# Altium PCB WS3.0.PcbDoc
Units mm, origin at the board's own origin, x right, y up, seen from the top; angles counter-clockwise.
Board outline 152.4 x 101.6 mm, 2 copper layers (Top Layer, Bottom Layer); 63 components, 58 nets, 265 pads, 102 vias.
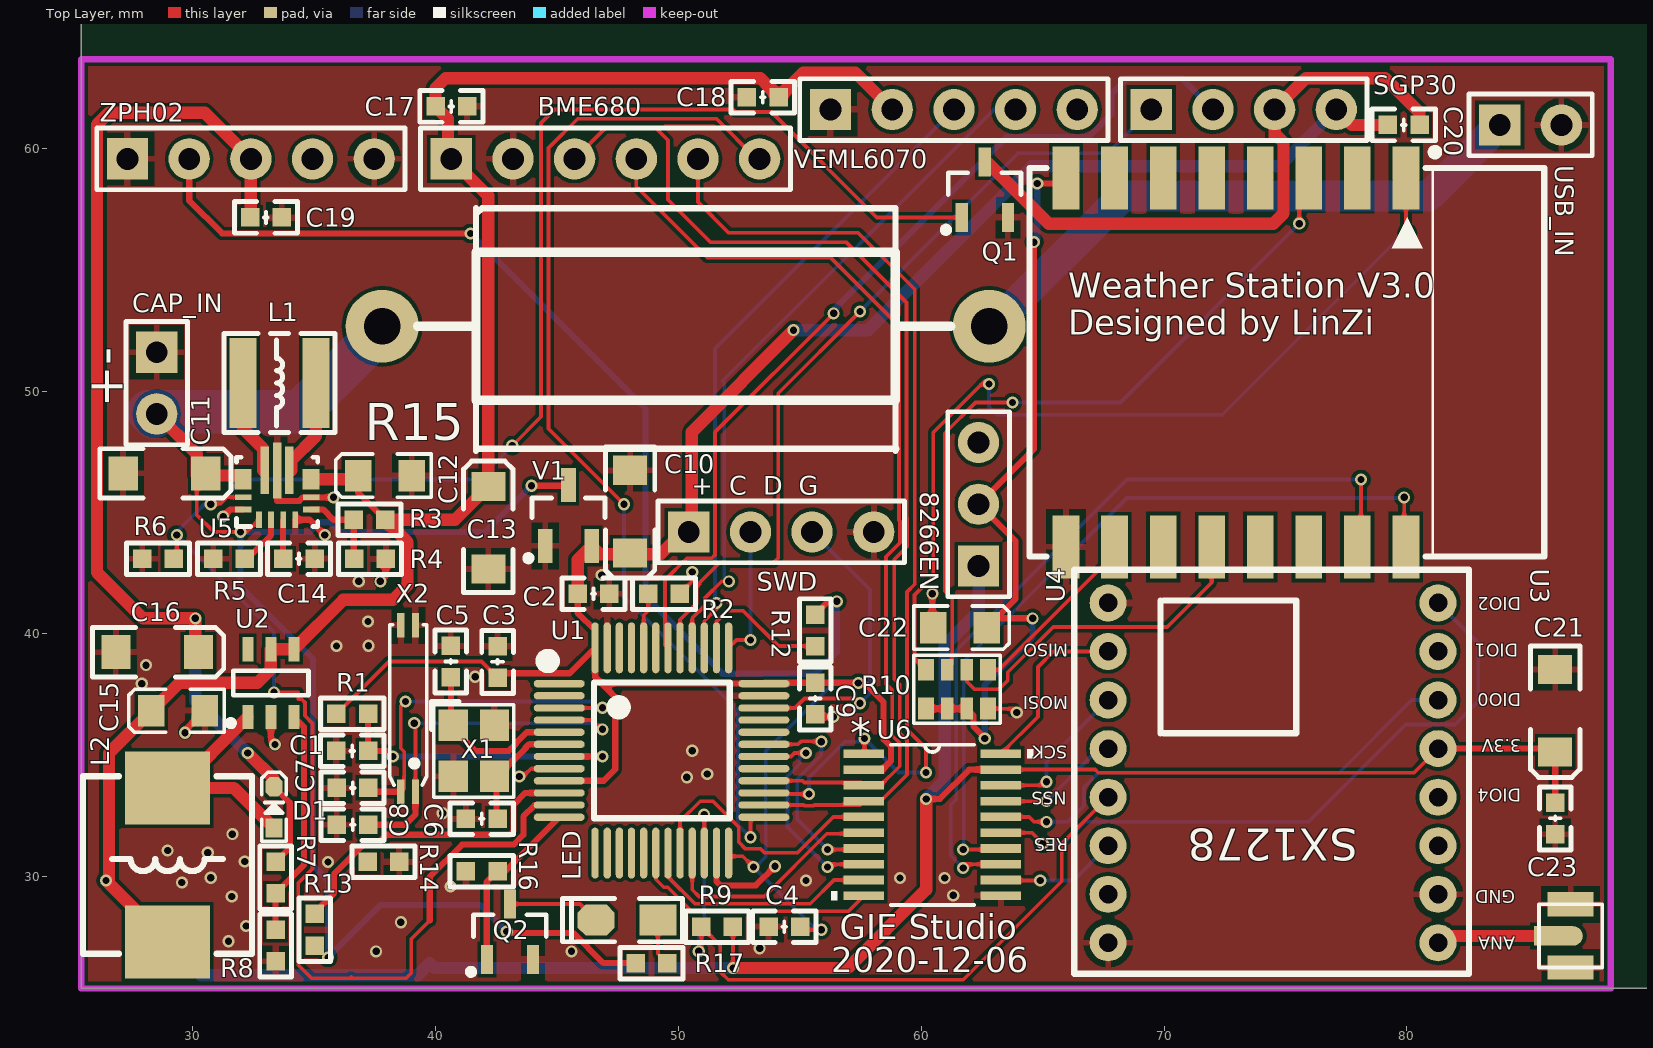
[diagram p0: Top Layer view]
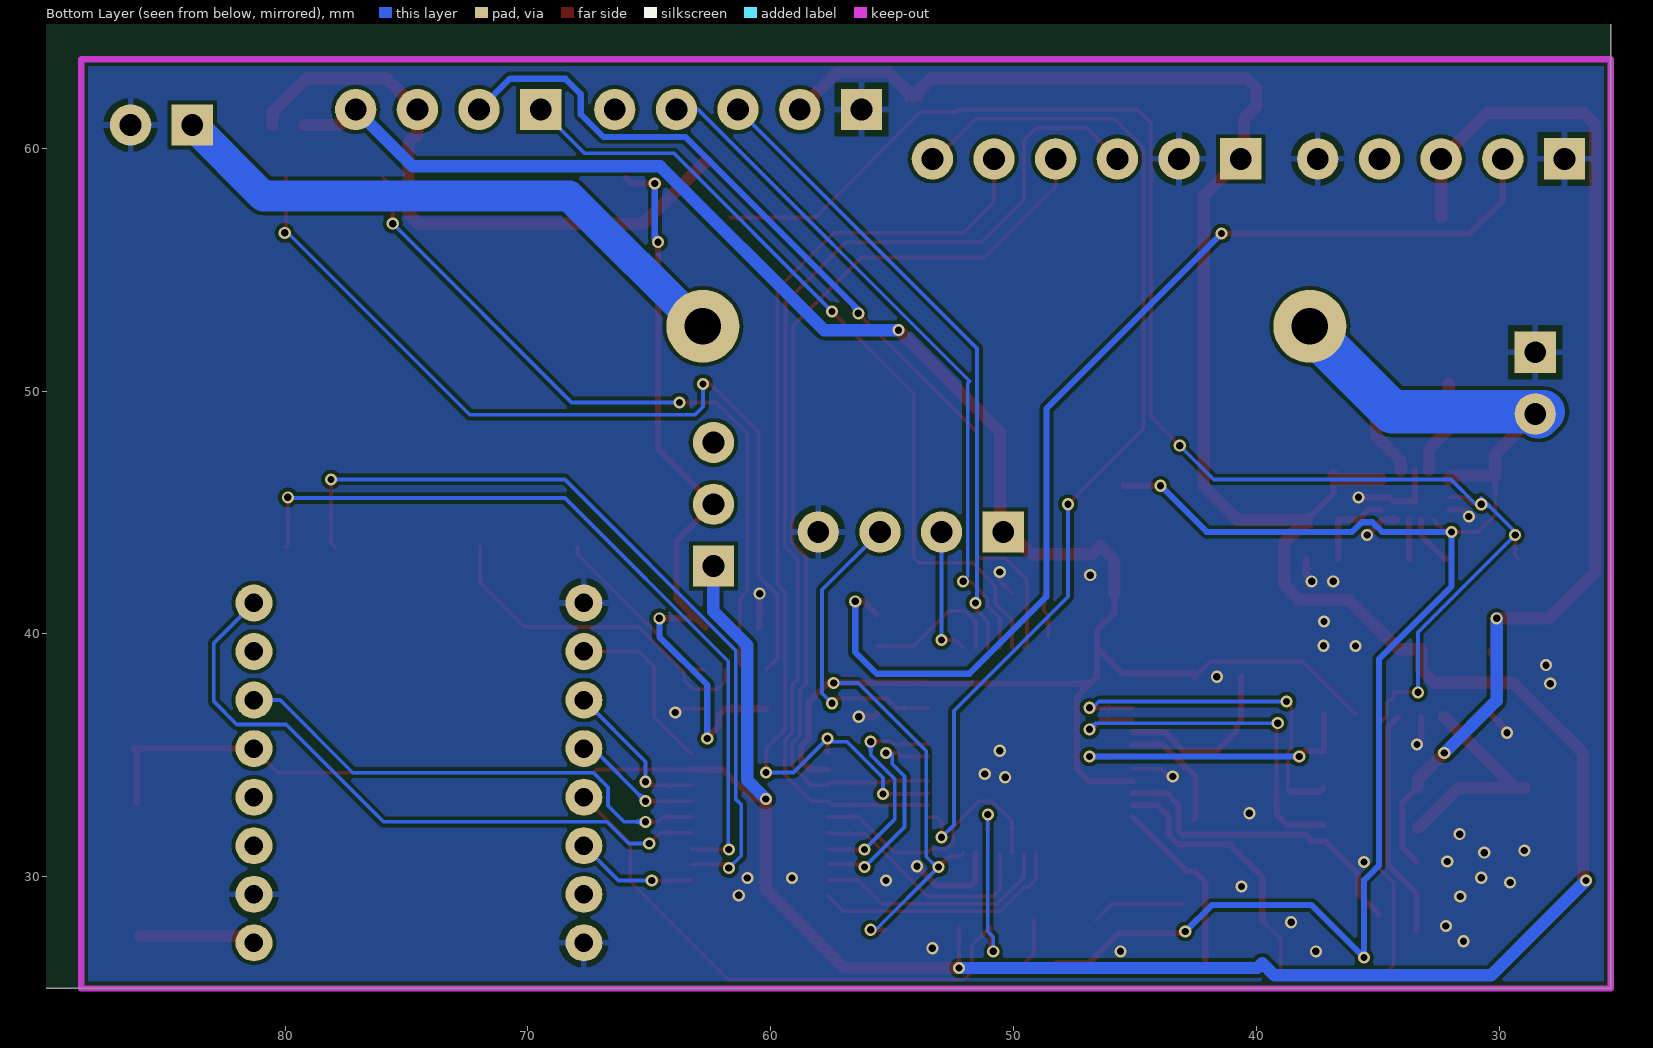
[diagram p1: Bottom Layer view, seen from below]

## Layer stack, top to bottom
Top Solder: solder mask 0.0102, Solder Resist, Dk 3.5
Top Layer: signal copper 0.0356
Dielectric 1: dielectric 0.32, FR-4, Dk 4.8
Bottom Layer: signal copper 0.0356
Bottom Solder: solder mask 0.0102, Solder Resist, Dk 3.5

## Board outline
25.4,25.4 177.8,25.4 177.8,127 25.4,127

## Design rules (kind name [scope] priority, off if disabled: settings)
Clearance Clearance_1 [All] p1: gap=0.152
Clearance [InNet('Net_1')] p2: gap=0.381
PlaneConnect [All] p1: planeconnectstyle=Direct reliefexpansion=0.508 reliefentries=4 reliefconductorwidth=0.254 reliefairgap=0.254
PolygonConnect PolygonConnect_1 [IsVia] p1: connectstyle=Direct reliefconductorwidth=0.254 reliefentries=4 polygonreliefangle="90 Angle" airgapwidth=0.254
PolygonConnect [All] p2: connectstyle=Relief reliefconductorwidth=0.254 reliefentries=4 polygonreliefangle="90 Angle" airgapwidth=0.254
RoutingVias [All] p1: holewidth=0.711 width=1.27 viastyle="Through Hole" minholewidth=0.711 minwidth=1.27 maxholewidth=0.711 maxwidth=1.27
SolderMaskExpansion [All] p1: expansion=0.102
Width [InNet('Net_1')] p1: maxlimit=3.81 minlimit=0.152 preferedwidth=0.152
29 further rules are at their usual default settings.

## Components (designator, comment, footprint, x,y, rotation, side; value= is the part's Value field where it differs from the comment)
8266EN "HDR-1X3" HDR2.54-LI-3P 62.357,45.339 r90 top
BME680 "HDR-1X6" HDR2.54-LI-6P 46.99,59.563 r0 top
C1 "104" "C 0603_L" 36.561,35.179 r180 top
C2 "104" "C 0603_L" 46.497,41.656 r0 top
C3 "104" "C 0603_L" 42.545,38.847 r90 top
C4 "104" "C 0603_L" 54.356,27.94 r180 top
C5 "22p" "C 0603_L" 40.623,38.862 r270 top
C6 "22p" "C 0603_L" 41.895,32.385 r0 top
C7 "22p" "C 0603_L" 36.576,33.655 r180 top
C8 "22p" "C 0603_L" 36.576,32.135 r180 top
C9 "104" "C 0603_L" 55.626,37.338 r270 top
C10 "100uF/6.3V" "CD A(3216)" 48.006,45.037 r90 top
C11 "47uF/6.3V" "CD A(3216)" 28.829,46.609 r180 top
C12 "10uF/6.3V" "CD S(2012)" 37.907,46.52 r0 top
C13 "47uF/6.3V" "CD A(3216)" 42.164,44.372 r270 top
C14 "104" "C 0603_L" 34.365,43.091 r0 top
C15 "10uF/6.3V" "CD S(2012)" 29.38,36.83 r0 top
C16 "47uF/6.3V" "CD A(3216)" 28.526,39.243 r180 top
C17 "104" "C 0603_L" 40.64,61.722 r180 top
C18 "104" "C 0603_L" 53.467,62.103 r0 top
C19 "104" "C 0603_L" 33.005,57.15 r180 top
C20 "104" "C 0603_L" 79.868,60.96 r180 top
C21 "47uF/6.3V" "CD A(3216)" 86.106,36.83 r90 top
C22 "10uF/6.3V" "CD S(2012)" 61.595,40.259 r180 top
C23 "104" "C 0603_L" 86.106,32.4 r270 top
CAP_IN "HDR-1X2" HDR2.54-LI-2P 28.509,50.33 r270 top
D1 "SS14" SOD-523 33.335,32.854 r90 top
L1 "1.5uH" NR4020 33.565,50.33 r0 top
L2 "4.7uH" L-SMD-0630 28.956,30.48 r270 top
LED "绿色" "LED 0805G" 47.879,28.209 r180 top
Q1 "AO3400" SOT23-3N 62.611,58.293 r0 top
Q2 "AO3400" SOT23-3N 43.053,27.731 r0 top
R1 "10K" "R 0603_L" 36.561,36.703 r0 top
R2 "10K" "R 0603_L" 49.403,41.656 r180 top
R3 "316K" "R 0603_L" 37.272,44.698 r0 top
R4 "100K" "R 0603_L" 37.287,43.091 r0 top
R5 "100K" "R 0603_L" 31.481,43.091 r180 top
R6 "1M" "R 0603_L" 28.56,43.091 r0 top
R7 "220K" "R 0603_L" 33.401,29.957 r90 top
R8 "30K" "R 0603_L" 33.401,27.163 r270 top
R9 "100K" "R 0603_L" 51.591,27.94 r0 top
R10 "4.7K" RCA-8P4R-0603 61.468,37.719 r0 top
R12 "2K" "R 0603_L" 55.626,40.147 r90 top
R13 "200K" "R 0603_L" 35.015,27.813 r90 top
R14 "56K" "R 0603_L" 37.846,30.607 r180 top
R15 "2.2R" "RS 3W" 50.292,52.667 r180 top
R16 "100K" "R 0603_L" 41.895,30.226 r180 top
R17 "1K" "R 0603_L" 48.88,26.441 r180 top
SGP30 "HDR-1X4" HDR2.54-LI-4P 73.279,61.595 r0 top
SWD "HDR-1X4" HDR2.54-LI-4P 54.229,44.196 r0 top
U1 "STM32L051C8" "LQFP48 7X7_M" 49.312,35.199 r270 top
U2 "MT3608" SOT23-6L 33.208,37.973 r0 top
U3 "ESP8266-07" ESP-07 75.057,51.181 r270 top
U4 "SX1278" SX1278 74.358,33.945 r270 top
U5 "TPS63070RNMR" RNM0015A 33.465,45.848 r90 top
U6 "TXS0108EPWR" PW20 60.452,32.135 r0 top
USB_IN "HDR-1X2" HDR2.54-LI-2P 85.09,60.96 r0 top
V1 "XC6206P182" SOT23-3M 45.466,43.624 r0 top
VEML6070 "HDR-1X5" HDR2.54-LI-5P 61.341,61.595 r0 top
X1 "8M" "OSC 3225-4P" 41.568,35.179 r270 top
X2 "32.768kHz" "OSC MC-146" 38.862,36.949 r90 top
ZPH02 "HDR-1X5" HDR2.54-LI-5P 32.385,59.563 r0 top
? "IPEX" IPEX 86.741,27.559 r180 top

## Footprints (in the part's own frame and the unit in brackets; to place one, negate y for a bottom-side part, rotate by r counter-clockwise, add the part's x,y. Pads: shape width x height; smd on the part's side, far side on the other; paste and mask are expansions set on the pad)
"C 0603_L" [mil] "无极性贴片电容"
  rect 30x30 smd: 1(-25.59,0) 2(25.59,0)
  silkscreen extent -51,-26 51,26, body extent -31,-16 31,16, height 32
"CD A(3216)" [mm] "长3.2mm，宽1.6mm，厚1.6mm"
  rect 1.2x1.4 smd: 1(-1.7,0) 2(1.7,0)
  silkscreen extent -2.74,-1.02 2.67,1.02, body extent -1.6,-0.8 1.6,0.8, height 1.6
"CD S(2012)" [mm] "长2.0mm，宽1.25mm，厚1.2mm"
  rect 1.1x1.3 smd: 1(-1.1,0) 2(1.1,0)
  silkscreen extent -2.03,-0.89 1.91,0.89, body extent -1,-0.6 1,0.6, height 1.2
ESP-07 [mm] "ESP-07"
  rect 2.6x1.1 smd: 1(-7.6,4.9) 2(-7.6,2.9) 3(-7.6,0.9) 4(-7.6,-1.1) 5(-7.6,-3.1) 6(-7.6,-5.1) 7(-7.6,-7.1) 8(-7.6,-9.1) 9(7.6,-9.1) 10(7.6,-7.1) 11(7.6,-5.1) 12(7.6,-3.1) 13(7.6,-1.1) 14(7.6,0.9) 15(7.6,2.9) 16(7.6,4.9)
  silkscreen extent -8.81,-10.6 8,10.6, body extent -8.01,-10.6 8.01,10.6, height 3.3
HDR2.54-LI-2P [mm] "排针，2脚"
  rect 1.7x1.7 hole 0.9: 1(-1.27,0)
  round 1.7 hole 0.9: 2(1.27,0)
  silkscreen extent -2.54,-1.27 2.54,1.27, body extent -2.54,-1.27 2.54,1.27, height 8.5
HDR2.54-LI-3P [mm] "排针，3脚"
  rect 1.7x1.7 hole 0.9: 1(-2.54,0)
  round 1.7 hole 0.9: 2(0,0) 3(2.54,0)
  silkscreen extent -3.81,-1.27 3.81,1.27, body extent -3.81,-1.27 3.81,1.27, height 8.5
HDR2.54-LI-4P [mm] "排针，4脚"
  rect 1.7x1.7 hole 0.9: 1(-3.81,0)
  round 1.7 hole 0.9: 2(-1.27,0) 3(1.27,0) 4(3.81,0)
  silkscreen extent -5.08,-1.27 5.08,1.27, body extent -5.08,-1.27 5.08,1.27, height 8.5
HDR2.54-LI-5P [mm] "排针，5脚"
  rect 1.7x1.7 hole 0.9: 1(-5.08,0)
  round 1.7 hole 0.9: 2(-2.54,0) 3(0,0) 4(2.54,0) 5(5.08,0)
  silkscreen extent -6.35,-1.27 6.35,1.27, body extent -6.35,-1.27 6.35,1.27, height 8.5
HDR2.54-LI-6P [mm] "排针，6脚"
  rect 1.7x1.7 hole 0.9: 1(-6.35,0)
  round 1.7 hole 0.9: 2(-3.81,0) 3(-1.27,0) 4(1.27,0) 5(3.81,0) 6(6.35,0)
  silkscreen extent -7.62,-1.27 7.62,1.27, body extent -7.62,-1.27 7.62,1.27, height 8.5
IPEX [mm]
  oval 1x0.8 smd: 1(0,0)
  rect 1.5x0.8 smd: 1(0.762,0)
  rect 1.9x1 smd: 2(0,1.3) 3(0,-1.3)
  silkscreen extent -1.3,-1.3 1.3,1.3
L-SMD-0630 [mm] "一体化成型电感"
  rect 3x3.5 smd: 1(-3.175,0) 2(3.175,0)
  silkscreen extent -3.66,-3.48 3.66,3.48, body extent -3.47,-3.3 3.47,3.3, height 3.05
"LED 0805G" [mil] "绿色0805LED"
  rect 60x50 smd: 1(-50,0)
  oct 60x50 smd: 2(50,0)
  silkscreen extent -90,-35 105,35, body extent -39,-25 39,25, height 32
"LQFP48 7X7_M" [mm] "48脚，体宽7x7mm，脚距0.5mm"
  oval 0.3x2.1 smd: 1(-2.75,-4.227) 2(-2.25,-4.227) 3(-1.75,-4.227) 4(-1.25,-4.227) 5(-0.75,-4.227) 6(-0.25,-4.227) 7(0.25,-4.227) 8(0.75,-4.227) 9(1.25,-4.227) 10(1.75,-4.227) 11(2.25,-4.227) 12(2.75,-4.227) 25(2.75,4.202) 26(2.25,4.202) 27(1.75,4.202) 28(1.25,4.202) 29(0.75,4.202) 30(0.25,4.202) 31(-0.25,4.202) 32(-0.75,4.202) 33(-1.25,4.202) 34(-1.75,4.202) 35(-2.25,4.202) 36(-2.75,4.202)
  oval 2.1x0.3 smd: 13(4.227,-2.75) 14(4.227,-2.25) 15(4.227,-1.75) 16(4.227,-1.25) 17(4.227,-0.75) 18(4.227,-0.25) 19(4.227,0.25) 20(4.227,0.75) 21(4.227,1.25) 22(4.227,1.75) 23(4.227,2.25) 24(4.227,2.75) 37(-4.227,2.75) 38(-4.227,2.25) 39(-4.227,1.75) 40(-4.227,1.25) 41(-4.227,0.75) 42(-4.227,0.25) 43(-4.227,-0.25) 44(-4.227,-0.75) 45(-4.227,-1.25) 46(-4.227,-1.75) 47(-4.227,-2.25) 48(-4.227,-2.75)
  silkscreen extent -3.93,-4.95 2.79,2.79, body extent -4.5,-4.5 4.5,4.5, height 1.45
NR4020 [mm] "4.0mm*4.0mm*2.0mm(长*宽*高）"
  rect 1.1x3.7 smd: 1(-1.5,0) 2(1.5,0)
  silkscreen extent -2.29,-2.03 2.29,2.03, body extent -2,-2 2,2, height 2.1
"OSC 3225-4P" [mm] "3.2*2.5*0.7mm(长宽高)"
  rect 1.3x1.2 smd: 1(-1.05,-0.85) 2(1.05,-0.85) 3(1.05,0.85) 4(-1.05,0.85)
  silkscreen extent -2.03,-1.75 1.91,1.65, body extent -1.6,-1.25 1.6,1.25, height 0.7
"OSC MC-146" [mm] "6.7mm*1.5mm*1.4mm(长*宽*高)"
  rect 1x0.3 smd: 1(-3.45,-0.3) 2(3.4,-0.3) 3(3.4,0.3) 4(-3.45,0.3)
  silkscreen extent -3.17,-0.76 3.43,0.76, body extent -3.45,-0.75 3.45,0.75, height 1.45
PW20 [mil]
  rect 66x14 smd: 1(-111,115.16) 2(-111,89.57) 3(-111,63.98) 4(-111,38.39) 5(-111,12.8) 6(-111,-12.8) 7(-111,-38.39) 8(-111,-63.98) 9(-111,-89.57) 10(-111,-115.16) 11(111,-115.16) 12(111,-89.57) 13(111,-63.98) 14(111,-38.39) 15(111,-12.8) 16(111,12.8) 17(111,38.39) 18(111,63.98) 19(111,89.57) 20(111,115.16)
  silkscreen extent -164,-130 164,130, body extent -128,-130 126,128, height 44
"R 0603_L" [mil] "1/10W贴片电阻"
  rect 30x30 smd: 1(-25.59,0) 2(25.59,0)
  silkscreen extent -51,-26 51,26, body extent -31,-16 32,16, height 16
RCA-8P4R-0603 [mm] "3.2mm*1.6mm*0.6mm(长*宽*厚)"
  rect 0.65x0.9 smd: 1(-1.28,-0.8) 4(1.28,-0.8) 5(1.28,0.8) 8(-1.28,0.8)
  rect 0.5x0.9 smd: 2(-0.4,-0.8) 3(0.4,-0.8) 6(0.4,0.8) 7(-0.4,0.8)
  silkscreen extent -1.78,-1.4 1.78,1.4, body extent -1.6,-0.8 1.6,0.8, height 0.6
RNM0015A [mm]
  rect 0.676x0.24 smd paste+0 mask+0.051: 1(-1.15,0.75) 2(-1.15,0.25) 3(-1.15,-0.25) 4(-1.15,-0.75)
  rect 0.24x0.676 smd paste+0 mask+0.051: 5(-0.725,-1.4) 6(-0.225,-1.4) 14(-0.225,1.4) 15(-0.725,1.4)
  rect 0.85x0.7 smd paste-0.35 mask-0.356: 7(0.525,-1.4) 8(0.525,-1.4) 12(0.525,1.4) 13(0.525,1.4)
  rect 1.958x0.35 smd paste-0.712 mask-0.051: 9(0.889,-0.508) 11(0.889,0.508)
  rect 2.308x0.35 smd paste-0.887 mask-0.051: 10(0.889,0)
  silkscreen extent -1.43,-1.68 1.43,1.68, body extent -1.25,-1.5 1.25,1.5, height 1
"RS 3W" [mm] "直插色环电阻，脚距25mm，直径6mm"
  round 3 hole 1.508: 1(12.5,0) 2(-12.5,0)
  silkscreen extent -10.92,-3.05 11.05,3.05, body extent -12.9,-3.01 12.9,3.01, height 6.11
SOD-523 [mm] "1.2x0.8X0.6mm（长宽高，不包括引脚）"
  rect 0.8x0.7 smd: 1(-0.85,0)
  oct 0.8x0.7 smd: 2(0.85,0)
  silkscreen extent -1.4,-0.51 1.45,0.51, body extent -0.8,-0.4 0.8,0.4, height 0.65
SOT23-3M [mm] "3x1.3x1mm(长宽高)"
  rect 0.6x1.4 smd: 1(-0.95,0) 2(0.95,0) 3(0,2.514)
  silkscreen extent -1.78,-0.63 1.5,1.97, body extent -1.5,0.07 1.5,2.47, height 1.05
SOT23-3N [mm] "3x1.3x1mm(长宽高)"
  rect 0.5x1.2 smd: 1(-0.95,-1.143) 2(0.95,-1.143) 3(0,1.143)
  silkscreen extent -1.72,-1.78 1.5,0.7, body extent -1.5,-1.2 1.5,1.2, height 1.05
SOT23-6L [mm] "3x1.6x1.1mm(长宽高)"
  rect 0.45x1 smd: 1(-0.95,-1.397) 2(0,-1.397) 3(0.95,-1.397) 4(0.95,1.397) 5(0,1.397) 6(-0.95,1.397)
  silkscreen extent -1.77,-1.78 1.55,0.51, body extent -1.5,-1.4 1.5,1.4, height 1.15
SX1278 [mil]
  round 60 hole 30: 1(-288.53,-262.5) 2(-209.79,-262.5) 3(-131.05,-262.5) 4(-52.31,-262.5) 5(26.43,-262.5) 6(105.17,-262.5) 7(183.91,-262.5) 8(262.65,-262.5) 9(262.65,272.5) 10(183.91,272.5) 11(105.17,272.5) 12(26.43,272.5) 13(-52.31,272.5) 14(-131.05,272.5) 15(-209.79,272.5) 16(-288.53,272.5)
  silkscreen extent -342,-318 313,323

## Part data
8266EN: library part "Header 3", "3P接插件"
BME680: library part "Header 6", "6P接插件"
C1 C2 C3 C4 C5 C6 C7 C8 C9 C14 C17 C18 C19 C20 C23: library part C, "无极性贴片电容"
C10 C11 C12 C13 C15 C16 C21 C22: library part C-CD, "贴片钽电容"
CAP_IN USB_IN: library part "Header 2", "2P接插件"
D1: "肖特基二极管"
L1 L2: library part L-NR, "NR磁胶电感"
LED: library part LED-SMD, "贴片LED"
Q1 Q2: library part SI2302, "N沟道场效应管"
R1 R2 R3 R4 R5 R6 R7 R8 R9 R12 R13 R14 R16 R17: library part R, "贴片电阻"
R10: library part R-8P4R, "贴片网络排阻"
R15: library part R-I, "电流检测电阻"
SGP30 SWD: library part "Header 4", "4P接插件"
U1: library part STM32F051C8, "Flaah:64/RAM:20/IO:36"
U3: "串口 WIFI模块，ESP-07"
U5: library part TPS630701RNMR, "No Description Available"
U6: "8-Bit Bidirectional Voltage-Level Translator For Open-Drain And Push-Pull Application"
V1: library part AMS1117, "三端稳压芯片"
VEML6070 ZPH02: library part "Header 5", "5P接插件"
X1: library part XTAL-4P, "4脚无源晶振"
X2: library part XTAL-MC-4P, "MC系列4脚晶振"
?: library part SMA, "SMA-2.4G射频天线接口"

## Via types
v1: diameter 0.5, hole 0.3, Top Layer to Bottom Layer, 102 vias

## Nets (pads, with @x,y where several pads share a name; then routed paths per layer and width w, separated by ;. In a path a pad name is that pad's centre, name@x,y a point inside that pad or via, vN(x,y) a via of type N, cw(c..) or ccw(c..) an arc to the next point about the centre after c; other vN are vias at no path point)
8266RX: U1.30 U6.8 | length 8.9
  Top Layer w0.152: U1.30 54.634,34.949 54.778,35.093 v1(55.245,35.093) ; v1(56.134,30.399) 56.245,30.51 U6.8
  Bottom Layer w0.152: 54.991,35.052 54.991,34.644 54.483,34.136 54.483,32.05 v1(56.134,30.399)
8266TX: U1.31 U6.7 | length 9.2
  Top Layer w0.152: U1.31 54.924,35.449 55.047,35.572 55.868,35.572 v1(55.88,35.56) ; v1(56.134,31.115) 57.588,31.115 U6.7
  Bottom Layer w0.152: v1@55.88,35.433 55.88,35.016 54.893,34.029 54.893,32.356 v1(56.134,31.115)
BME_CS: BME680.6 U1.25 | length 43
  Top Layer w0.152: v1(47.752,45.339) 44.641,48.45 44.641,60.01 45.846,61.214 51.562,61.214 53.213,59.563 BME680.6 ; v1(52.959,31.623) 52.959,32.258 53.15,32.449 U1.25
  Bottom Layer w0.152: v1(47.752,45.339) 47.752,41.529 52.451,36.83 52.451,32.131 v1(52.959,31.623)
CAP_ADC: R13.2 R14.2 U1.10 | length 13.3
  Top Layer w0.254: R13.2@34.939,28.449 34.984,28.494 35.814,29.324 35.814,30.112 37.176,31.475 37.723,31.475 37.973,31.725 43.042,31.725 43.205,31.888 43.205,32.966 43.688,33.449 U1.10
CAP_IN: C11.1 CAP_IN.2 R13.1 R15.1 R17.2 U5.1 U5.12 U5.13 V1.3 | length 69.3
  Top Layer w0.152: C11.1@30.16,46.52 30.16,44.897 30.861,44.196 v1(31.959,44.196) 32.213,44.196 U5.1
  Top Layer w0.254: v1@35.547,26.667 35.56,26.654 v1(35.56,26.67) ; v1@42.926,27.686 45.657,27.686 46.902,26.441 R17.2 ; v1(43.942,46.101) 45.429,46.101 V1.3
  Top Layer w0.508: CAP_IN.2 30.16,47.409 30.16,46.52 31.918,46.52 U5.13
  Bottom Layer w0.254: v1(42.926,27.742) 41.839,28.829 37.719,28.829 v1(35.56,26.67) 35.56,29.858 34.94,30.478 34.94,38.969 31.959,41.95 v1(31.959,44.196) 34.811,44.196 35.214,44.598 35.652,44.598 36.055,44.196 42.037,44.196 v1(43.942,46.101)
  Bottom Layer w1.778: CAP_IN.2@28.382,48.933 28.166,49.149 34.406,49.149 R15.1@37.708,52.451
DIO0: U4.14 U6.16 | length 20.6
  Top Layer w0.152: U6.16 64.441,32.46 64.643,32.258 v1(65.151,32.258)
  Bottom Layer w0.152: v1(65.151,32.258) 66.04,32.258 66.7,32.918 66.7,33.684 67.299,34.283 77.209,34.283 80.2,37.274 U4.14
DIO2: U4.16 U6.15 | length 27
  Top Layer w0.152: U6.15 64.561,31.81 v1(65.002,31.369)
  Bottom Layer w0.152: v1(65.002,31.369) 65.845,31.369 66.741,32.265 68.101,32.265 68.108,32.258 75.946,32.258 79.953,36.265 81.985,36.265 82.931,37.211 82.931,39.623 U4.16
EN_TXS: U1.18 U6.10 | length 10.5
  Top Layer w0.152: U1.18 49.062,29.894 49.391,29.565 49.556,29.565 50.546,28.575 56.998,28.575 U6.10
G0: R10.6 U3.12 | length 14.2
  Top Layer w0.152: R10.6 61.868,38.038 62.187,37.719 63.201,37.719 63.561,38.079 63.561,38.415 65.429,40.283 70.128,40.283 71.957,42.112 U3.12
G15: R10.5 U3.10 | length 7.5
  Top Layer w0.152: R10.5 63.201,38.519 67.957,43.275 U3.10
GND: ?.2 ?.3 BME680.2 C1.2 C2.2 C3.2 C4.2 C5.1 C6.1 C7.2 C8.2 C9.2 C10.2 C11.2 C12.2 C13.2 C14.2 C15.2 C16.2 C17.1 C18.1 C19.1 C21.2 C22.2 C23.2 CAP_IN.1 Q1.2 Q2.2 R2.1 R4.2 R5.2 R6.1 R8.2 R10.4 R14.1 R16.2 SWD.4 U1.8 U1.23 U1.35 U1.47 U2.2 U3.9 U4.1 U4.8 U4.10 U5.4 U5.6 U5.10 U5.15 U6.11 USB_IN.2 V1.1 VEML6070.1 X1.2 X1.4 X2.2 X2.3 ZPH02.1 ZPH02.5 | length 19.8
  Top Layer w0.152: v1(43.44,34.125) 43.603,34.125 43.926,34.449 U1.8 ; R2.1 50.562,42.165 v1(50.562,42.545) ; R10.4 63.771,36.919 v1(63.93,36.761)
  Top Layer w0.254: v1(29.676,35.926) 29.676,36.026 C15.2 ; v1(31.242,44.831) 31.534,45.123 U5.15 ; U2.2 33.208,35.607 v1(33.376,35.439) ; U5.10 33.465,45.479 34.374,45.479 34.519,45.623 U5.6 v1(35.786,45.623) ; U5.4 34.804,44.698 v1(35.433,44.069) ; v1(37.719,42.164) 37.937,42.382 R4.2 ; U1.23 51.562,29.803 51.723,29.642 53.188,29.642 v1(53.975,30.429) ; C9.2 55.725,36.589 v1(56.371,36.589) ; v1(60.452,41.656) 60.452,40.302 C22.2
  other v1: 37.543,26.924 45.593,26.924 53.34,27.051 31.466,27.338 32.192,27.97 38.562,28.122 31.598,29.185 61.312,29.23 40.61,29.591 29.543,29.764 55.245,29.845 30.734,29.954 59.118,29.943 60.96,29.943 35.56,30.607 32.131,30.626 30.607,30.988 28.956,31.082 31.623,31.75 40.284,32.613 50.341,34.094 51.18,34.231 50.562,35.184 27.89,37.949 41.623,38.234 28.064,38.713 35.911,39.497 37.226,39.512 37.211,40.513 36.83,42.164 46.836,42.418
IIC_SCL: U1.39 VEML6070.3 | length 26.5
  Top Layer w0.152: U1.39 51.062,40.521 51.562,41.021 v1(51.562,41.275)
  Bottom Layer w0.152: v1(51.562,41.275) 51.498,41.339 51.498,51.752 VEML6070.3
IIC_SCL_30: SGP30.1 U1.41 | length 33.7
  Top Layer w0.152: U1.41 50.062,40.58 50.736,41.254 50.736,41.908 50.867,42.039 50.867,42.104 51.689,42.926 53.9,42.926 54.102,43.128 54.102,49.911 v1(57.472,53.281)
  Bottom Layer w0.152: v1(57.472,53.281) 63.983,59.792 67.666,59.792 SGP30.1
IIC_SDA: U1.40 VEML6070.4 | length 28.6
  Top Layer w0.152: U1.40 50.562,40.649 51.083,41.17 51.083,41.473 51.774,42.164 v1(52.07,42.164)
  Bottom Layer w0.152: v1(52.07,42.164) 51.88,42.354 51.88,50.327 51.802,50.405 62.992,61.595 VEML6070.4
IIC_SDA_30: SGP30.2 U1.42 | length 38
  Top Layer w0.152: U1.42 49.443,39.545 49.443,42.219 50.341,43.117 51.364,43.117 51.498,43.251 51.498,48.309 v1(56.388,53.199)
  Bottom Layer w0.254: v1(56.388,53.199) 56.388,53.34 63.514,60.466 66.889,60.466 67.818,61.395 67.818,62.23 68.453,62.865 70.739,62.865 SGP30.2
LED: Q2.1 R16.1 U1.12 | length 7.3
  Top Layer w0.254: Q2.1 42.103,29.784 R16.1 42.862,30.226 U1.12
Net8266EN_2: 8266EN.2 C22.1 R10.1 R10.2 R10.3 U3.8 | length 32.2
  Top Layer w0.254: R10.1 R10.2 R10.3 62.144,36.643 62.144,36.19 62.595,35.739 v1@62.595,35.657 ; C22.1 C22.1@63.076,40.64 ; v1(64.584,40.64) C22.1@63.076,40.64 ; v1(64.643,56.134) 64.643,47.625 8266EN.2 63.881,43.815 63.881,41.445 C22.1@63.076,40.64 ; v1(64.77,58.547) 65.723,58.547 U3.8
  Bottom Layer w0.254: v1(62.611,35.687) 62.611,37.898 64.584,39.871 v1(64.584,40.64) ; v1(64.643,56.134) 64.77,56.261 v1(64.77,58.547)
Net_1: ?.1 U4.9 | length 4.8
  Top Layer w0.152: U4.9 U4.9@81.565,27.559
  Top Layer w0.508: U4.9@81.565,27.559 ?.1@85.979,27.559
NetC1_1: C1.1 R1.2 U1.7 | length 13
  Top Layer w0.254: R1.2 C1.1 37.997,35.179 v1(38.227,34.949) ; U1.7 v1(46.863,34.949)
  Bottom Layer w0.254: v1@38.251,34.949 v1(46.863,34.949)
NetC5_2: C5.2 U1.5 X1.1 | length 7.2
  Top Layer w0.254: C5.2 40.623,36.412 40.806,36.229 40.806,35.997 41.624,35.179 43.013,35.179 43.297,35.463 43.297,35.495 43.751,35.949 U1.5
NetC6_2: C6.2 U1.6 X1.3 | length 4.9
  Top Layer w0.254: C6.2 42.506,32.424 42.506,34.129 43.15,34.773 43.181,34.773 43.704,35.295 43.704,35.327 43.826,35.449 U1.6
NetC7_1: C7.1 U1.3 X2.4 | length 15.2
  Top Layer w0.152: X2.4 38.706,33.643 38.706,35.147 38.562,35.291 38.562,37.038 v1@38.735,37.211 ; U1.3 46.855,36.949 v1(46.863,36.957)
  Top Layer w0.254: C7.1 37.382,33.499 X2.4
  Bottom Layer w0.152: v1(38.753,37.211) 46.482,37.211 v1@46.736,36.957
NetC8_1: C8.1 U1.4 X2.1 | length 15.6
  Top Layer w0.152: X2.1 v1@39.162,36.229 ; U1.4 46.379,36.449 46.76,36.068 v1(46.863,36.068)
  Top Layer w0.254: C8.1 38.739,32.135 39.162,32.558 X2.1
  Bottom Layer w0.152: v1(39.116,36.322) 46.609,36.322 v1(46.863,36.068)
NetC14_1: C14.1 U5.3 | length 1.6
  Top Layer w0.254: C14.1 U5.3
NetC20_1: C20.1 Q1.3 SGP30.3 | length 25.6
  Top Layer w0.508: Q1.3 62.7,59.436 65.24,56.896 74.497,56.896 74.913,57.313 74.913,60.249 74.675,60.487 74.549,60.487 SGP30.3 75.844,62.89 79.096,62.89 80.518,61.468 C20.1
NetD1_1: D1.1 L2.1 U2.1 | length 9.2
  Top Layer w0.508: L2.1 L2.1@29.337,33.655 ; U2.1 L2.1@29.337,33.655 ; D1.1 31.684,33.655 L2.1@29.337,33.655
NetL1_1: L1.1 U5.11 | length 3.9
  Top Layer w0.508: L1.1 32.065,48.453 32.884,47.634 U5.11@32.884,46.737
NetL1_2: L1.2 U5.9 | length 4
  Top Layer w0.508: U5.9@34.046,46.737 34.046,47.132 35.065,48.151 L1.2
NetLED_1: LED.1 R17.1 | length 1.9
  Top Layer w0.152: LED.1 49.149,26.822 R17.1
NetLED_2: LED.2 Q2.3 | length 3.8
  Top Layer w0.152: Q2.3 45.944,28.874 LED.2
NetR2_2: R2.2 U1.44 | length 1.9
  Top Layer w0.152: U1.44@48.562,39.878 48.562,40.767 48.753,40.958 R2.2
NetR3_1: R3.1 R4.1 U5.5 | length 3.5
  Top Layer w0.152: R4.1@36.622,43.106 R4.1
  Top Layer w0.254: U5.5 35.361,45.123 35.786,44.698 R3.1 R4.1@36.622,43.106
NetR5_1: R5.1 U5.2 | length 2.1
  Top Layer w0.254: R5.1 32.237,43.091 33.215,44.069 U5.2
NetR7_1: R7.1 R8.1 U2.3 | length 9.4
  Top Layer w0.254: R8.1 R7.1 34.569,30.475 34.569,36.165 U2.3
NetR10_7: R10.7 U3.3 | length 30.2
  Top Layer w0.152: R10.7 61.274,38.725 61.274,41.45 60.96,41.764 60.96,48.26 62.23,49.53 v1(63.754,49.53) ; v1(75.565,56.896) 75.565,58.389 U3.3
  Bottom Layer w0.152: v1(63.754,49.53) 68.199,49.53 v1(75.565,56.896)
NetR10_8: R10.8 U3.1 | length 37.4
  Top Layer w0.152: R10.8 59.716,38.991 59.716,41.597 60.495,42.376 60.495,48.303 62.611,50.419 62.738,50.292 v1(62.785,50.292) ; U3.1 79.957,56.568 v1(80.01,56.515)
  Bottom Layer w0.152: v1(62.785,50.292) 62.785,49.356 63.119,49.022 72.39,49.022 80.01,56.642 v1(80.01,56.515)
NetR12_2: R12.2 ZPH02.2 | length 44.6
  Top Layer w0.254: ZPH02.2 29.845,57.846 31.201,56.49 v1(41.427,56.49) ; R12.2 56.168,41.339 v1(56.515,41.339)
  Bottom Layer w0.254: v1(41.427,56.49) 48.641,49.276 48.641,41.529 51.816,38.354 55.626,38.354 56.515,39.243 v1(56.515,41.339)
NetR15_2: R15.2 USB_IN.1 | length 24.6
  Bottom Layer w1.27: R15.2@62.708,52.451 68.296,58.039 80.899,58.039 USB_IN.1
NetSWD_2: SWD.2 U1.37 | length 5.5
  Top Layer w0.152: U1.37 52.387,39.751 v1(52.959,39.751)
  Bottom Layer w0.152: v1(52.959,39.751) SWD.2
NetSWD_3: SWD.3 U1.34 | length 12.4
  Top Layer w0.152: U1.34 54.793,36.949 55.182,37.338 57.273,37.338 v1(57.472,37.14)
  Bottom Layer w0.152: SWD.3 57.883,41.812 57.883,37.551 v1(57.472,37.14)
NetU4_2: U4.2 U6.20 | length 7.4
  Top Layer w0.152: U6.20 64.8,36.589 64.8,38.638 65.436,39.274 U4.2
NetU4_3: U4.3 U6.18 | length 6.4
  Top Layer w0.152: U6.18 65.002,33.76 v1(65.151,33.909)
  Bottom Layer w0.152: v1(65.151,33.909) 65.151,34.734 U4.3
NetU4_4: U4.4 U6.17 | length 5.3
  Top Layer w0.152: U6.17 v1(65.151,33.11)
  Bottom Layer w0.152: v1(65.151,33.11) 67.315,35.274 U4.4
NetU4_6: U4.6 U6.12 | length 5
  Top Layer w0.152: U6.12 63.286,29.845 v1(64.897,29.845)
  Bottom Layer w0.152: v1(64.897,29.845) 66.262,29.845 U4.6
RX: U3.15 U6.13 | length 33.3
  Top Layer w0.152: v1(61.722,30.353) 61.879,30.51 U6.13 ; U3.15 78.105,43.729 v1(78.105,46.355)
  Bottom Layer w0.152: v1(61.722,30.353) 61.214,30.861 61.214,32.973 61.443,33.201 61.443,39.326 68.472,46.355 v1(78.105,46.355)
SPI_MISO: BME680.5 U1.27 U6.1 | length 41.7
  Top Layer w0.152: BME680.5 50.8,57.785 52.07,56.515 57.404,56.515 59.727,54.192 59.727,42.039 59.412,41.723 59.412,36.057 60.188,35.281 v1(60.188,34.29) ; U1.27 53.562,33.401 v1(55.372,33.401) ; U6.1 57.658,35.085 v1(57.658,35.687)
  Bottom Layer w0.152: v1(55.372,33.401) 55.372,34.077 56.855,35.56 v1@57.658,35.56 ; v1(57.658,35.687) 59.055,34.29 v1(60.188,34.29)
SPI_MOSI: BME680.4 U1.28 U6.3 | length 39
  Top Layer w0.152: BME680.4 48.26,58.42 51.181,55.499 56.261,55.499 59.08,52.68 59.08,44.68 59.118,44.643 59.118,43.749 58.547,43.179 58.547,37.938 58.802,37.683 58.802,35.805 59.106,35.501 59.106,34.544 58.322,33.76 U6.3 57.513,33.88 55.174,33.88 55.104,33.949 U1.28
SPI_SCK: BME680.3 U1.26 U6.4 | length 45
  Top Layer w0.152: BME680.3 46.99,60.833 49.062,60.833 49.562,60.333 49.562,57.88 51.308,56.134 56.896,56.134 59.385,53.645 59.385,44.806 59.422,44.769 59.422,43.597 58.877,43.052 58.877,38.151 59.107,37.921 59.107,35.931 59.411,35.627 59.411,34.199 58.322,33.11 U6.4 57.472,32.949 55.597,32.949 55.57,32.922 55.174,32.922 55.147,32.949 U1.26
SX_CS: R9.1 U1.22 U4.5 | length 30.7
  Top Layer w0.152: v1(50.829,26.924) 50.941,27.036 R9.1 51.723,27.158 51.723,26.074 52.042,25.756 61.728,25.756 65.786,29.814 65.786,31.369 U4.5 ; v1(51.054,32.558) 51.054,30.98 U1.22
  Bottom Layer w0.152: v1(50.829,26.924) 50.829,27.517 51.054,27.742 v1(51.054,32.558)
SX_DIO0: U1.20 U6.5 | length 11.1
  Top Layer w0.152: U1.20 50.062,32.282 50.89,33.11 51.417,33.11 52.48,32.047 52.48,31.425 52.761,31.144 53.383,31.144 53.539,30.988 54.899,30.988 56.371,32.46 U6.5
SX_DIO2: U1.21 U6.6 | length 9.8
  Top Layer w0.152: U1.21 50.562,29.464 50.841,29.185 53.527,29.185 56.108,31.766 57.369,31.766 57.414,31.81 U6.6
SX_RES: U1.19 U6.9 | length 9.9
  Top Layer w0.152: U1.19 49.562,29.99 50.672,28.88 55.423,28.88 56.403,29.86 U6.9
TPS_EN: Q1.1 R6.2 U1.11 U5.14 | length 88.8
  Top Layer w0.152: R6.2 29.337,43.218 v1(29.337,44.069) ; v1@30.613,45.369 31.145,45.369 31.399,45.623 U5.14 ; v1(33.335,37.592) 34.341,37.592 34.341,37.305 34.478,37.305 34.612,37.171 34.612,36.625 34.925,36.312 34.925,30.328 34.341,29.744 34.341,26.365 34.896,25.81 36.449,25.81 ; 36.515,25.876 36.449,25.81 ; 39.751,28.194 38.989,27.432 38.989,26.035 38.764,25.81 36.449,25.81 ; v1(43.15,47.752) 44.337,48.939 44.337,61.036 44.895,61.595 52.24,61.595 52.341,61.493 53.823,61.493 58.166,57.15 Q1.1
  Top Layer w0.254: 39.751,28.194 39.751,29.987 41.082,31.318 43.21,31.318 43.612,31.72 43.612,32.483 44.078,32.949 U1.11
  Bottom Layer w0.152: v1@29.273,44.133 30.734,45.593 v1(30.734,45.339) 30.958,45.339 31.974,46.355 41.753,46.355 v1(43.15,47.752) ; v1(29.337,44.069) 33.335,40.071 v1(33.335,37.592)
TX: U3.16 U6.14 | length 32.2
  Top Layer w0.152: v1(61.722,31.115) 63.226,31.115 U6.14 ; v1(79.883,45.623) 79.883,43.655 U3.16
  Bottom Layer w0.152: v1(61.722,31.115) 61.747,31.14 61.747,38.872 68.469,45.593 v1@79.756,45.593
VCC_1.8: C2.1 C3.1 C4.1 C9.1 C10.1 C20.2 R1.1 SGP30.4 SWD.1 U1.9 U1.24 U1.36 U1.48 U6.2 V1.2 | length 99.8
  Top Layer w0.152: R1.1 38.07,38.862 41.88,38.862 C3.1 ; U1.24 52.194,30.84 52.646,30.84 v1(53.086,30.399) ; C4.1@55.245,27.813 v1(55.88,27.813)
  Top Layer w0.254: C3.1 42.545,38.378 45.514,38.378 U1.48 ; U1.9 46.915,33.949 47.392,34.426 47.392,37.176 47.371,37.198 47.371,37.414 46.836,37.949 ; C2.1 45.847,40.857 46.562,40.142 U1.48 ; U6.2 58.394,34.41 58.75,34.767 58.75,35.354 58.446,35.657 58.446,37.185 57.643,37.988 C9.1 53.553,37.988 U1.36 46.836,37.949 ; U1.48 46.562,38.223 46.836,37.949
  Top Layer w0.508: C2.1 45.847,43.055 V1.2 46.766,43.275 49.244,43.275 SWD.1@50.292,44.323 ; SWD.1 SWD.1@50.292,44.323 ; v1(54.737,52.508) 50.546,48.317 50.546,44.831 50.673,44.704 SWD.1@50.292,44.323 ; SGP30.4 77.724,60.96 C20.2
  Bottom Layer w0.152: v1(55.88,27.813) 55.672,27.813 v1(53.086,30.399) 53.174,30.399 53.594,30.819 53.594,35.179 56.388,37.973 v1(57.404,37.973)
  Bottom Layer w0.508: v1(54.737,52.508) 57.803,52.508 64.553,59.258 74.752,59.258 SGP30.4
VCC_3.3: 8266EN.1 BME680.1 C12.1 C13.1 C15.1 C17.2 C18.2 C21.1 C23.1 L2.2 R3.2 R9.2 U2.4 U2.5 U4.13 U5.7 U5.8 U6.19 VEML6070.2 | length 157.1
  Top Layer w0.152: R9.2 v1(52.241,26.238) ; U6.19 67.154,34.41 67.281,34.283 80.289,34.283 U4.13 ; v1(52.241,26.238) 52.241,26.06 52.064,26.238 v1(52.241,26.238)
  Top Layer w0.254: C12.1 36.807,45.813 R3.2 ; v1(60.198,33.201) 60.76,33.201 61.969,34.41 U6.19 ; U4.13 86.25,35.274 C21.1 86.106,33.924 C23.1
  Top Layer w0.508: L2.2 26.543,29.718 26.543,35.093 C15.1 29.438,37.988 32.654,37.988 33.208,38.542 U2.5 U2.4 36.19,41.402 38.227,41.402 38.833,42.008 38.833,43.786 R3.2 40.79,44.698 C13.1 42.164,58.039 BME680.1 40.503,59.7 40.503,61.209 C17.2 39.99,62.469 40.411,62.89 53.366,62.89 54.117,62.14 C18.2 55.133,63.119 57.277,63.119 VEML6070.2 ; U5.8 36.66,46.373 C12.1 ; v1(52.241,26.238) 56.972,26.238 60.198,29.464 v1(60.198,33.201)
  Bottom Layer w0.508: v1(26.416,29.845) 30.328,25.933 39.243,25.933 39.751,26.441 39.954,26.238 v1(52.241,26.238) ; v1(60.198,33.201) 60.96,33.963 60.96,39.526 62.357,40.923 8266EN.1
VCC_5: C16.1 C19.2 D1.2 R7.2 ZPH02.3 | length 46.4
  Top Layer w0.254: D1.2 33.985,33.054 33.985,31.191 R7.2
  Top Layer w0.508: C16.1 30.099,39.37 v1(30.099,40.64) 27.94,40.64 26.049,42.531 26.049,60.974 26.543,61.468 30.48,61.468 ZPH02.3 32.385,57.18 C19.2 ; v1(32.258,35.093) 33.335,34.016 D1.2
  Bottom Layer w0.508: v1(30.099,40.64) 30.099,37.252 v1(32.258,35.093)
ZPH02RX: R12.1 U1.38 | length 5.9
  Top Layer w0.152: U1.38 51.562,40.513 51.999,40.95 52.659,40.95 54.112,39.497 R12.1
pads on no net: 8266EN.3 U1.1 U1.2 U1.13 U1.14 U1.15 U1.16 U1.17 U1.29 U1.32 U1.33 U1.43 U1.45 U1.46 U2.6 U3.2 U3.4 U3.5 U3.6 U3.7 U3.11 U3.13 U3.14 U4.7 U4.11 U4.12 U4.15 VEML6070.5 ZPH02.4

## Polygon pours and split planes (outlines as drawn)
GND on Top Layer "Top Layer-GND" (solid, pour order 12): 25.4,63.665 88.392,63.665 88.392,25.4 25.4,25.4
GND on Top Layer "Top Layer-GND 1" (solid, pour order 0): 373.888,49.53
GND on Bottom Layer "Bottom Layer-GND" (solid, pour order 14): 25.4,63.665 88.392,63.665 88.392,25.438 25.438,25.438 25.4,25.4
GND on Bottom Layer "Bottom Layer-GND 1" (solid, pour order 8): 25.4,63.373

## Keep-outs
Keep-Out Layer:
  lines w0.254: 25.4,63.627 25.4,25.4 88.392,25.4 ; 25.4,63.665 88.392,63.665 88.392,25.438

## Silkscreen, mask and mechanical layers (free items; w line width, h text height)
Top Overlay:
  lines w0.254: 41.656,47.536 41.656,57.536 ; 41.656,47.625 58.971,47.625 ; 41.656,57.277 41.91,57.531 58.928,57.531 58.928,47.536
  text "Weather Station V3.0" at 66.04,53.848 h1.02
  text "Designed by LinZi" at 66.04,52.324 h1.02
  text "+-" at 27.112,49.314 h1.52 r90
  text "+  C  D  G" at 50.546,45.72 h0.76
  text "GIE Studio" at 56.642,27.432 h1.02
  text "2020-12-06" at 56.286,26.06 h1.02

## Text inside footprints (layer, text, board x,y; h text height)
U4: Top Overlay "NSS" at 65.996,33.497 h0.52 r180; Top Overlay "SCK" at 66.009,35.402 h0.52 r180; Top Overlay "DIO2" at 84.709,41.498 h0.52 r180; Top Overlay "DIO1" at 84.582,39.593 h0.52 r180; Top Overlay "DIO0" at 84.709,37.561 h0.52 r180; Top Overlay "3.3V" at 84.709,35.656 h0.52 r180; Top Overlay "DIO4" at 84.709,33.624 h0.52 r180; Top Overlay "GND" at 84.455,29.433 h0.52 r180; Top Overlay "MISO" at 66.04,39.593 h0.52 r180; Top Overlay "MOSI" at 66.04,37.434 h0.52 r180; Top Overlay "RES" at 66.04,31.592 h0.52 r180; Top Overlay "ANA" at 84.455,27.528 h0.52 r180
U6: Top Overlay "*" at 57.061,35.289 h1.27; Mechanical 13 "*" at 57.061,35.289 h1.27